# Altium PCB PROC054D_MMWCAS_RF_EVM.PcbDoc (part 6 of 14) (continued)
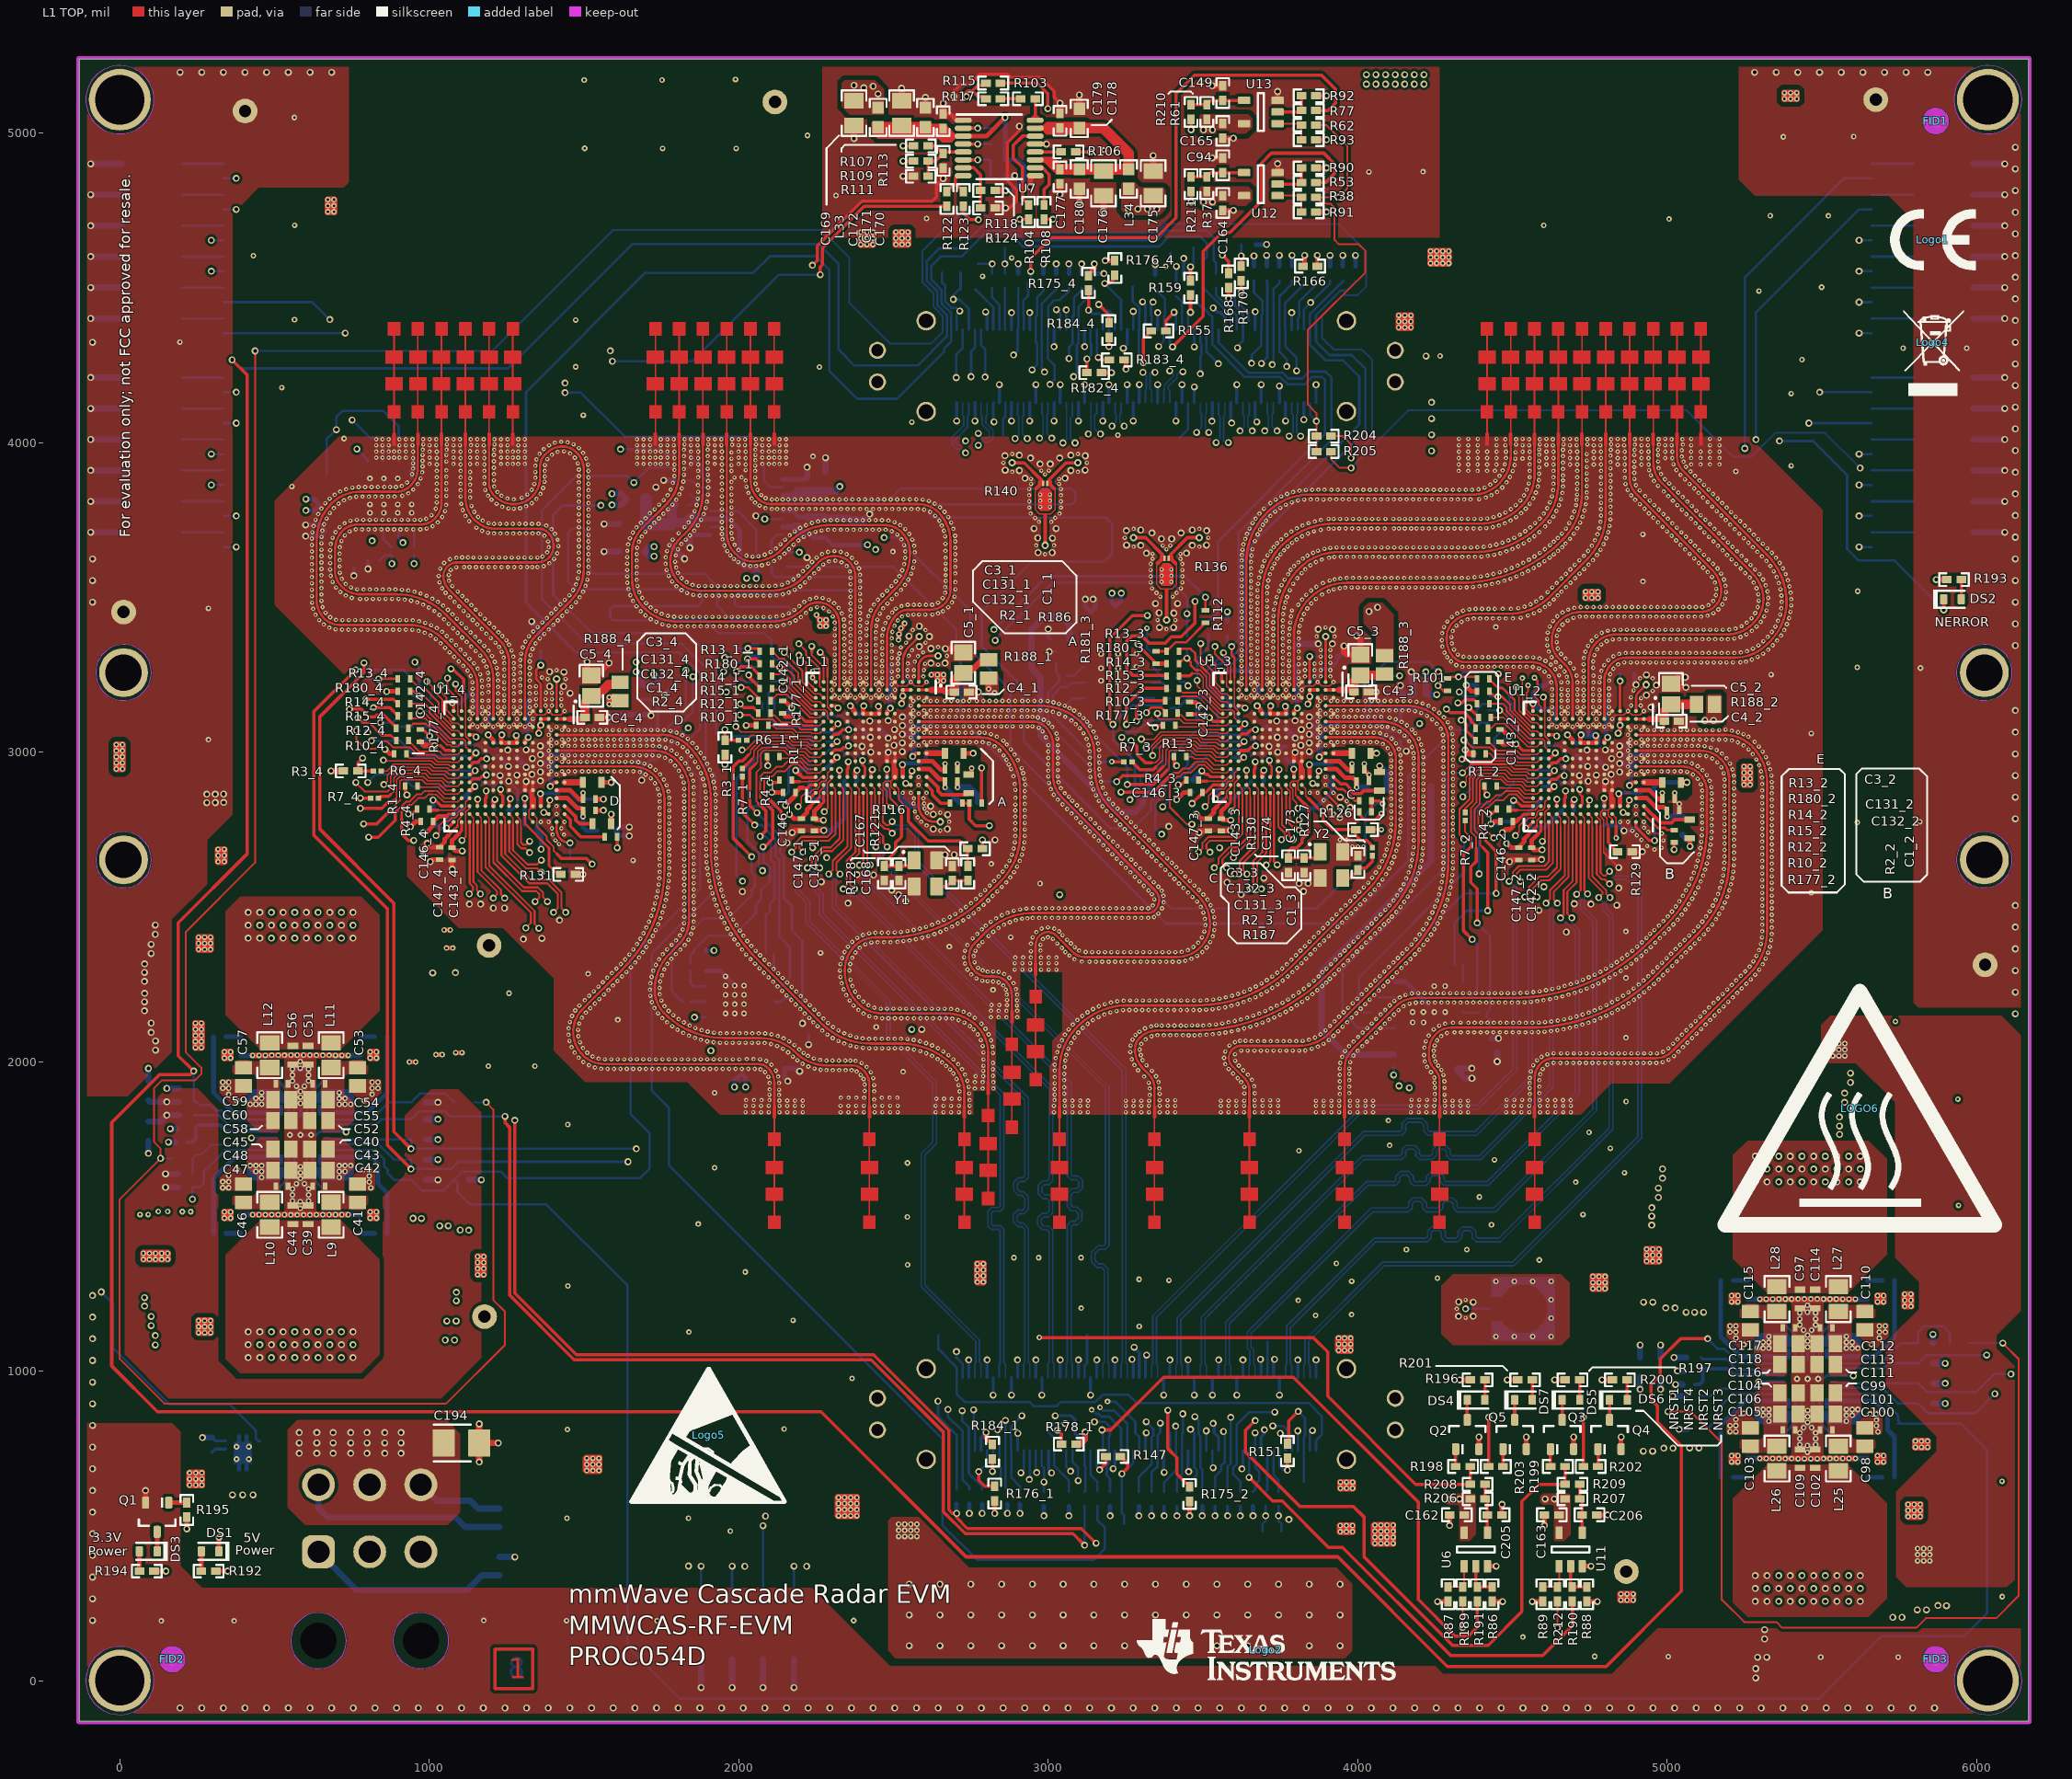
[diagram p0: L1 TOP view]
## Nets (pads, with @x,y where several pads share a name; then routed paths per layer and width w, separated by ;. In a path a pad name is that pad's centre, name@x,y a point inside that pad or via, vN(x,y) a via of type N, cw(c..) or ccw(c..) an arc to the next point about the centre after c; other vN are vias at no path point) (continued)
AWR_4_SPI_HOST_INTR1: J5.27 R10_4.2 R184_4.2 | length 4097.7
  L1 TOP w8: v2(768.88,3110.53) 784.52,3094.89 805.48,3094.89 846.37,3054 876,3054 R10_4.2@893,3037
  L1 TOP w10.5: v2(3163.34,4446.33) 3196.34,4413.33 R184_4.2@3196.34,4387.27
  L6 SIGNAL 3 w6.9: v2(768.88,3110.53) 768.88,3204.85 738.54,3235.18 738.54,3285.27 1050.44,3597.16 1050.44,4308.18 1378.08,4635.83 2053.23,4635.83 2222.3,4466.76 2634.39,4466.76 2674.43,4426.72 2674.43,4410.95 2695.38,4390.01 2749.22,4390.01 2770.05,4410.83 2770.05,4431.35 2790.07,4451.37 2833.44,4451.37 2858.85,4476.78 3132.88,4476.78 v2(3163.34,4446.33)
  L8 BOTTOM w7.75: v2(3163.34,4446.33) 3183.95,4425.71 3197.03,4425.71 3216.02,4406.73 J5.27@3216.02,4365.06
AWR_4_SPI_MISO1: J5.28 R12_4.2 R176_4.1 | length 4187.3
  L1 TOP w10.5: v2(742.02,3139) 780.39,3139 805.17,3114.23 824.54,3114.23 830.39,3120.08 852.32,3120.08 892.89,3079.52 R12_4.2@892.89,3077 ; v2(3182.67,4514.41) 3197.54,4514.41 3215.4,4532.26 R176_4.1@3215.4,4540.37
  L6 SIGNAL 3 w6.9: v2(742.02,3139) 723.08,3157.94 723.08,3295.52 1031.03,3603.47 1031.03,4321.4 1371.02,4661.39 2059.57,4661.39 2239.9,4481.06 2641.54,4481.06 2689.93,4432.67 2689.93,4415.81 2703.84,4401.91 2734.05,4401.91 2751.59,4419.45 2751.59,4437.67 2786.07,4472.14 2822.86,4472.14 2854.72,4504 3126.28,4504 3136.7,4514.41 v2(3182.67,4514.41)
  L8 BOTTOM w7.75: v2(3182.67,4514.41) 3235.71,4461.38 J5.28@3235.71,4365.06
AWR_4_SPI_MOSI1: J5.24 R183_4.2 U1_4.R8 | length 3745.2
  L1 TOP w4: v2(851.8,2974.1) 854.9,2971 1008,2971 1020,2959 1063,2959 1068.5,2953.5 U1_4.R8@1078.76,2953.5
  L1 TOP w10.5: v2(3162,4275) 3169.85,4267.15 R183_4.2@3198.04,4267.15
  L6 SIGNAL 3 w6.9: v2(851.8,2974.1) 870.25,2974.1 930.7,3034.55 930.7,3233.6 1222.22,3525.11 1222.22,3850.07 1515.55,4143.4 1667.89,4143.4 1880.55,4356.06 2354.51,4356.06 2377.93,4379.48 2497.77,4379.48 2566.58,4310.68 2851.46,4310.68 2860.29,4319.51 2915.98,4319.51 2944.01,4291.47 3006.33,4291.47 3049.57,4248.23 3081.78,4248.23 3093.78,4260.23 3093.78,4325.24 3102.8,4334.26 3135.26,4334.26 3162,4307.52 v2(3162,4275)
  L8 BOTTOM w7.75: J5.24@3156.97,4365.06 3156.97,4280.03 v2(3162,4275)
AWR_4_TCK: J5.5 U1_4.M13 | length 2897.7
  L1 TOP w10.5: U1_4.M13@1155.53,2825.55 1155.53,2844.23 v2(1156.04,2847.5)
  L6 SIGNAL 3 w6.9: v2(1156.04,2847.5) 1134.48,2847.5 1119.5,2862.48 1119.5,2903.95 1089.74,2933.71 1089.74,3117.1 1177.89,3205.25 1177.89,3291.79 1284.89,3398.78 1284.89,3431.82 1334.04,3480.98 1352.93,3480.98 1451.14,3579.19 1451.14,3762.38 1599.23,3910.46 1661.03,3910.46 1697.19,3946.62 1757.33,3946.62 1992.5,4181.79 2370.45,4181.79 2420.44,4231.78 2644.19,4231.78 2689.24,4186.72 2712.95,4186.72 2727.47,4201.24 2727.47,4222.47 2741.93,4236.93 2771.07,4236.93 v2(2796,4212)
  L8 BOTTOM w7.75: J5.5@2782.95,4365.06 2782.95,4315.63 2796,4302.58 v2(2796,4212)
AWR_4_TDI: J5.2 U1_4.H13 | length 2962.8
  L1 TOP w10.5: U1_4.H13@1257.89,2825.55 1257.89,2841.79 1261.6,2845.5 v2(1261.6,2849.69)
  L6 SIGNAL 3 w6.9: v2(1261.6,2849.69) 1222.72,2810.81 1143.56,2810.81 1101.41,2852.95 1101.41,2895.95 1067.81,2929.55 1067.81,3121.9 1145.21,3199.3 1145.21,3294.52 1259.31,3408.62 1259.31,3428.22 1405.91,3574.82 1405.91,3770.49 1586.4,3950.99 1652.86,3950.99 1680.64,3978.76 1737.9,3978.76 1972.74,4213.6 2358.44,4213.6 2389.9,4245.06 2667.86,4245.06 v2(2702.91,4210)
  L8 BOTTOM w7.75: v2(2702.91,4210) 2702.91,4286.29 2723.89,4307.27 J5.2@2723.89,4365.06
AWR_4_TDO: J5.3 R8_4.2 R161.1 TP3_4.1 | length 4005.5
  L6 SIGNAL 3 w6.9: v2(801.13,2901.87) 801.13,2923.53 758.17,2966.48 758.17,3017.16 699.85,3075.49 699.85,3296.27 1004.12,3600.54 1004.12,3901.2 977.48,3927.85 977.48,4322.89 1361.07,4706.48 2045.93,4706.48 2254.47,4497.94 2657.94,4497.94 v2(2693.28,4462.6)
  L8 BOTTOM w7.75: v2(801.13,2901.87) 827.83,2928.58 906.51,2928.58 947.31,2887.78 R8_4.2@974.55,2887.78 ; TP3_4.1@2716.88,4548.68 R161.1@2716.88,4495.09 2712.73,4495.09 2693.28,4475.64 v2(2693.28,4462.6) 2713.2,4462.6 2743.58,4432.22 J5.3@2743.58,4365.06
AWR_4_TMS: J5.4 U1_4.L13 | length 2803.2
  L1 TOP w10.5: U1_4.L13@1181.12,2825.55 1181.12,2850.22 1183.94,2853.04 v2(1183.94,2874.94)
  L6 SIGNAL 3 w6.9: v2(1183.94,2874.94) 1183.94,2891.01 1161.1,2913.85 1136.45,2913.85 1108.41,2941.89 1108.41,3106.16 1220.25,3217.99 1220.25,3302.4 1308.36,3390.51 1308.36,3434.23 1328.27,3454.14 1366.2,3454.14 1486.72,3574.66 1486.72,3714.11 1540,3767.39 1620.2,3767.39 1699.39,3846.58 1699.39,3875.96 1733.61,3910.17 1775.36,3910.17 2014.33,4149.14 2466.51,4149.14 2532.34,4214.97 2640.6,4214.97 2680.75,4174.82 2730.39,4174.82 2751,4195.43 v2(2751,4213)
  L8 BOTTOM w7.75: v2(2751,4213) 2751,4294.5 2763.27,4306.77 J5.4@2763.27,4365.06
AWR_4_UART_RX: J5.21 R179_4.1 U1_4.N5 | length 3243.7
  L1 TOP w4: 1117,3146.75 1117,3051 1118,3050 1118,3049.9 1129.94,3037.96 U1_4.N5@1129.94,3030.27
  L1 TOP w6: 1111,3204.56 1111,3193.55 1117,3187.55 1117,3146.75
  L1 TOP w10.5: v2(1070,3269) 1076,3269 1111,3234 1111,3204.56
  L6 SIGNAL 3 w6.9: v2(1070,3269) 1070,3289.82 1326.66,3546.48 1326.66,3792.85 1578.15,4044.34 1699.42,4044.34 1951.02,4295.94 2381.79,4295.94 2423.68,4337.83 2481.62,4337.83 2548.85,4270.6 2856.51,4270.6 2868.11,4259.01 2998.1,4259.01 3044.11,4213 v2(3082,4213)
  L8 BOTTOM w7.75: v2(3082,4213) 3093,4224 3093,4316 3097.91,4320.91 3097.91,4438.57 3149,4489.66 R179_4.1@3149,4498.97
AWR_4_UART_TX: J5.20 R11_4.1 R178_4.1 | length 3241.3
  L6 SIGNAL 3 w6.9: v2(953.55,3291.06) 1195.4,3532.91 1195.4,3864.03 1512.53,4181.16 1662.68,4181.16 1857.68,4376.17 2344.13,4376.17 2361.56,4393.6 2502.95,4393.6 2573.97,4322.58 2836.71,4322.58 2852.7,4338.56 3043.36,4338.56 3067.59,4314.33 v2(3067.59,4271.64)
  L8 BOTTOM w7.75: v2(953.55,3291.06) 966.02,3278.58 966.02,3218.61 982.26,3202.38 990.5,3202.38 1003.91,3188.98 R11_4.1@1003.91,3172.94 ; v2(3067.59,4271.64) 3067.59,4308.34 3078.23,4318.98 3078.23,4407.22 3082.73,4411.72 3082.73,4466.77 3108,4492.04 R178_4.1@3108,4498.97
AWR_4_WARM_RST: J5.11 R174_4.1 U1_4.N12 | length 3582.7
  L1 TOP w4: 1053.96,2776.24 1062.24,2776.24 1073,2787 1083.48,2787 1091.85,2795.37 1091.85,2805.14 1099.17,2812.46 1108.94,2812.46 1117.44,2820.96 1117.44,2838.64 U1_4.N12@1129.94,2851.13
  L1 TOP w6: v2(1022,2730) 1032.23,2740.23 1032.23,2762.8 1045.67,2776.24 1053.96,2776.24
  L6 SIGNAL 3 w6.9: v2(1022,2730) 1036.4,2715.6 1057.94,2715.6 1083.5,2741.16 1083.5,2797 1038.51,2841.99 1038.51,2859.18 968.09,2929.61 968.09,3080.87 1015.56,3128.34 1015.56,3261.34 1293.32,3539.1 1293.32,3802.98 1562.67,4072.33 1685.28,4072.33 1931,4318.05 2371.72,4318.05 2405.76,4352.09 2487.32,4352.09 2556.41,4283 v2(2888,4283)
  L8 BOTTOM w7.75: v2(2888,4283) 2901.06,4296.06 J5.11@2901.06,4365.06 2903,4367 R174_4.1@2903,4498.97
AWR_4_XTAL_CLKM: R131.2 U1_4.F14 | length 248.6
  L1 TOP w8: U1_4.F14@1309.07,2799.95 1309.07,2768.17 1387.04,2690.21 1387.04,2633.55 1415.59,2604.99 R131.2@1425.11,2604.99
AWR_4_XTAL_CLKP: R108.2 U1_4.E14 | length 5430
  L1 TOP w4: U1_4.E14@1334.67,2799.95 1347.17,2787.45 1347.17,2759.83 1353.3,2753.7
  L1 TOP w6: 1353.3,2753.7 1379.51,2727.49 1379.51,2717 1402.49,2694.01 1402.49,2680.63 1412.37,2670.75
  L1 TOP w10.5: 1412.37,2670.75 1427.3,2655.82 1508.38,2655.82 v2(1526.14,2638.05) ; R108.2@2986.58,4721.32 v2(3014.98,4721.32)
  L3 SIGNAL 1 w5.1: v2(1526.14,2638.05) 1547.59,2659.51 1547.59,2724.31 1620.04,2796.75 1620.04,2909.33 1161.25,3368.12 1161.25,4248.67 1524.23,4611.65 2087.1,4611.65 2114.06,4584.7 2114.06,4507.54 2085.72,4479.2 1681.24,4479.2 1655.35,4453.32 1655.35,4390.99 1694.02,4352.32 2321.49,4352.32 2665.78,4696.61 3007.07,4696.61 3014.98,4704.52 v2(3014.98,4721.32)
AWR_CONN_TP1: J4.22 TP12.1 | length 140.8
  L8 BOTTOM w7.75: J4.22@3117.6,979.24 3117.6,1018.08 3125.61,1026.1 TP12.1@3125.61,1116.7
AWR_CONN_TP2: J4.52 TP15.1 | length 115.8
  L8 BOTTOM w7.75: J4.52@3708.15,979.24 3709,980.09 TP15.1@3709,1094.73
AWR_CONN_TP3: J5.69 TP8.1 | length 106.3
  L8 BOTTOM w7.75: TP8.1@2854.35,4025.61 2854.35,4076.29 2861.69,4083.63 J5.69@2861.69,4128.84
AWR_CONN_TP4: J5.99 TP13.1 | length 122.8
  L8 BOTTOM w7.75: TP13.1@3425.79,4016.95 3452.24,4043.4 J5.99@3452.24,4128.84
AWR_RX1_1: U1_1.M2 | length 1500.4
  L1 TOP w8.4: 1807.5,3991.32 1807.5,3901.87 cw(c1664.15,3901.88) 1765.51,3800.51 1687.36,3722.36 ccw(c1765.49,3644.23) 1655,3644.23 1655,3560.12 ccw(c1788.07,3560.12) 1693.98,3466.02 ccw(c1800.99,3572.98) 1800.99,3421.68 2107.7,3421.68 ccw(c2107.69,3566.36) 2210,3464.06 cw(c2257,3417.06) 2304,3464.06 cw(c2252.03,3412.08) 2325.53,3412.09 U1_1.M2@2325.53,3201.04
AWR_RX1_2: U1_2.M2 | length 1500.1
  L1 TOP w8.4: U1_2.M2@4643.53,3107.04 4643.53,3208.98 ccw(c4562.81,3208.98) 4619.89,3266.06 ccw(c4559.53,3205.7) 4559.53,3291.06 4344.27,3291.06 cw(c4344.27,3335.44) 4312.89,3304.06 cw(c4373.24,3364.4) 4287.89,3364.4 4287.89,3372.19 cw(c4352.76,3372.19) 4306.89,3418.06 cw(c4376.9,3348.06) 4376.9,3447.06 4489.05,3447.06 ccw(c4489.05,3632.57) 4620.23,3501.4 4741.08,3622.26 ccw(c4594.2,3769.14) 4801.92,3769.14 4801.92,3991.32
AWR_RX1_3: U1_3.M2 | length 1500.2
  L1 TOP w8.4: U1_3.M2@3640.53,3201.04 3640.53,3612.46 cw(c3870.49,3612.46) 3707.88,3775.06 cw(c3845.49,3637.45) 3845.49,3832.06 4372.24,3832.06 ccw(c4372.24,3952.63) 4457.04,3866.92 ccw(c4365.88,3958.08) 4494.8,3958.08 4494.8,3991.32
AWR_RX1_4: U1_4.M2 | length 1500.2
  L1 TOP w8.4: 660.47,3431.53 cw(c719.56,3490.61) 636,3490.61 636,3685.73 cw(c803.23,3685.73) 684.98,3803.98 cw(c774.33,3714.66) 774.33,3841 891.93,3841 ccw(c891.93,3907.56) 939,3860.5 ccw(c881.27,3918.24) 962.92,3918.24 962.92,3991.32 ; 660.48,3431.52 ccw(c710.02,3481.06) 710.02,3411 932.89,3411 cw(c932.89,3251.4) 1045.75,3364.25 1126.91,3283.09 cw(c1057.8,3213.99) 1155.53,3213.99 U1_4.M2@1155.53,3107.04
AWR_RX2_1: U1_1.K2 | length 1500.4
  L1 TOP w8.4: 1778.71,3615.15 ccw(c1870.08,3615.15) 1805.47,3550.54 ; 1778.71,3615.19 cw(c1883.76,3615.19) 1809.48,3689.47 1831.23,3711.22 ccw(c1703.17,3839.29) 1884.28,3839.29 1884.28,3991.32 ; 1805.48,3550.53 ccw(c1876.62,3621.66) 1876.62,3521.06 2105.03,3521.06 ccw(c2105.03,3668) 2208.93,3564.1 2257.89,3613.05 cw(c2308.41,3562.53) 2358.92,3613.05 ; 2358.93,3613.03 cw(c2316.02,3570.11) 2376.71,3570.11 U1_1.K2@2376.71,3201.04
AWR_RX2_2: U1_2.K2 | length 1500.2
  L1 TOP w8.4: 4651.57,3423.36 ccw(c4708.75,3366.2) 4627.9,3366.2 4627.9,3354.42 ccw(c4698.79,3354.42) 4648.65,3304.31 4670.9,3282.06 cw(c4613.39,3224.57) 4694.71,3224.57 U1_2.K2@4694.71,3107.04 ; 4651.58,3423.36 cw(c4723.28,3351.65) 4723.28,3453.06 5108.9,3453.06 ccw(c5108.9,3519.06) 5174.9,3519.06 ccw(c5075.92,3519.05) 5145.9,3589.05 4900.3,3834.65 cw(c4952.41,3886.77) 4878.71,3886.76 4878.71,3991.32
AWR_RX2_3: U1_3.K2 | length 1500.2
  L1 TOP w8.4: U1_3.K2@3691.71,3201.04 3691.71,3513.43 cw(c3911.11,3513.43) 3755.97,3668.57 cw(c3923.74,3500.79) 3923.74,3738.06 4394.88,3738.06 ccw(c4394.88,3927.5) 4528.84,3793.55 ccw(c4425.62,3896.76) 4571.59,3896.76 4571.59,3991.32
AWR_RX2_4: U1_4.K2 | length 1500.2
  L1 TOP w8.4: 1039.7,3991.32 1039.7,3806.89 cw(c965.61,3806.89) 1018,3754.5 cw(c970.92,3801.58) 970.92,3735 766.46,3735 ccw(c766.46,3671.12) 721.29,3716.29 ccw(c784.71,3652.84) 695,3652.84 695,3586.68 ccw(c768.42,3586.68) 716.5,3534.77 ccw(c776.29,3594.55) 776.29,3510 893.31,3510 cw(c893.31,3280.19) 1055.81,3442.69 1168,3330.5 cw(c1074.55,3237.05) 1206.71,3237.05 U1_4.K2@1206.71,3107.04
AWR_RX3_1: U1_1.H2 | length 1500
  L1 TOP w8.4: 1961.06,3991.32 1961.06,3707.89 ccw(c2053.89,3707.89) 1988.25,3642.25 1992.93,3637.57 ccw(c2045,3689.63) 2045,3616 ccw(c2045,3751.2) 2140.6,3655.6 2164.52,3679.52 cw(c2296.06,3547.97) 2296.06,3734 2469.07,3734 cw(c2469.07,3652.09) 2527,3710 cw(c2463.01,3646.02) 2553.5,3646.02 2553.5,3639.58 cw(c2396.38,3639.58) 2507.48,3528.48 2465.6,3486.6 ccw(c2556.64,3395.56) 2427.89,3395.56 U1_1.H2@2427.89,3201.04
AWR_RX3_2: U1_2.H2 | length 1500.2
  L1 TOP w8.4: U1_2.H2@4745.89,3107.04 4745.89,3289.88 cw(c4838.07,3289.88) 4772.89,3355.06 cw(c4833.24,3294.71) 4833.24,3380.06 5194.12,3380.06 ccw(c5194.12,3495.66) 5275.86,3413.92 5281.14,3419.2 ccw(c5207.83,3492.51) 5311.51,3492.51 ccw(c5193.4,3492.52) 5276.92,3576.03 4981.99,3870.95 cw(c5045.99,3934.95) 4955.48,3934.95 4955.48,3991.32
AWR_RX3_3: U1_3.H2 | length 1500.4
  L1 TOP w8.4: U1_3.H2@3742.89,3201.04 3742.89,3425.54 cw(c3983.15,3425.54) 3813.26,3595.43 cw(c3935.49,3473.2) 3935.49,3646.06 4375.36,3646.06 ccw(c4375.36,3951.53) 4591.36,3735.53 4595.53,3739.7 ccw(c4468,3867.24) 4648.36,3867.23 4648.36,3991.32
AWR_RX3_4: U1_4.H2 | length 1500.1
  L1 TOP w8.4: 1116.48,3991.32 1116.48,3822.68 ccw(c1220.68,3822.68) 1147,3749 ccw(c1212.18,3814.17) 1212.18,3722 1352.64,3722 cw(c1352.64,3677.65) 1384,3709.01 cw(c1340.74,3665.74) 1401.92,3665.74 ; U1_4.H2@1257.89,3107.04 1257.89,3287.74 ccw(c1153.2,3287.73) 1227.23,3361.76 1063.6,3525.4 cw(c1107.14,3568.93) 1045.57,3568.93 1045.57,3568.99 cw(c1088.02,3568.99) 1058,3599 cw(c1091.82,3565.18) 1091.82,3613.01 1129.94,3613.01 1349.21,3613 ccw(c1349.21,3665.71) 1401.92,3665.71
AWR_RX4_1: U1_1.F2 | length 1500.1
  L1 TOP w8.4: 2037.84,3991.32 2037.84,3877.86 ccw(c2120.14,3877.86) 2061.92,3819.69 ; 2061.94,3819.67 ccw(c2107.01,3864.74) 2107.01,3801 2581.57,3801 cw(c2581.57,3710.27) 2645.72,3774.43 ; U1_1.F2@2479.07,3201.04 2479.07,3367.88 cw(c2587.59,3367.88) 2510.85,3444.61 cw(c2547.99,3407.51) 2547.98,3460 2619.19,3460 ccw(c2619.19,3524.81) 2684,3524.81 2684,3682.03 ccw(c2553.34,3682.03) 2645.73,3774.42
AWR_RX4_2: U1_2.F2 | length 1500.1
  L1 TOP w8.4: U1_2.F2@4797.07,3107.04 4797.07,3228.56 cw(c4878.39,3228.56) 4820.89,3286.06 cw(c4866.76,3240.2) 4866.75,3305.06 5219.08,3305.06 ccw(c5219.08,3451.87) 5322.89,3348.06 5333.42,3358.6 ccw(c5206.67,3485.36) 5385.93,3485.36 ccw(c5169.47,3485.36) 5322.53,3638.42 5050.89,3910.06 cw(c5095.85,3955.03) 5032.26,3955.02 5032.26,3991.32
AWR_RX4_3: U1_3.F2 | length 1500
  L1 TOP w8.4: U1_3.F2@3794.07,3201.04 3794.07,3374.37 cw(c3967.58,3374.37) 3844.89,3497.06 cw(c3965.6,3376.35) 3965.6,3547.06 4330.14,3547.06 ccw(c4330.14,4014.81) 4654.36,3677.66 4661.44,3684.74 ccw(c4507.23,3838.7) 4725.14,3838.7 4725.14,3991.32
AWR_RX4_4: U1_4.F2 | length 1500.1
  L1 TOP w8.4: 1193.26,3991.32 1193.26,3867.5 ccw(c1247,3867.5) 1209,3829.5 1212.17,3826.33 ccw(c1272.74,3886.9) 1272.74,3801.24 ccw(c1272.74,3886.5) 1358,3886.5 1358,3923.79 cw(c1409.21,3923.79) 1373,3960 1379.26,3966.25 cw(c1430.38,3915.16) 1430.36,3987.43 ; U1_4.F2@1309.07,3107.04 1309.07,3290.53 cw(c1431.08,3290.53) 1344.81,3376.81 1456.68,3488.68 ccw(c1354.51,3590.85) 1499,3590.85 1499,3912.35 ccw(c1420.17,3912.35) 1475.7,3968.3 1475.09,3968.91 ccw(c1430.38,3924.2) 1430.38,3987.43
AWR_TX1_1: U1_1.B4 | length 2080.3
  L1 TOP w8.4: U1_1.B4@2581.44,3149.86 2976.01,3149.86 cw(c2976.01,2966.19) 3105.89,3096.06 cw(c2999.66,2989.83) 3149.89,2989.84 3149.89,2946.83 ccw(c3335.23,2946.83) 3204.17,2815.78 3486.38,2533.57 cw(c3397.58,2444.77) 3523.16,2444.77 cw(c3416.39,2444.77) 3416.39,2338 3117.23,2338 cw(c3117.23,2391.53) 3079.38,2353.68 3025.79,2407.28 ccw(c2999.01,2380.49) 2972.22,2407.27 ccw(c3002.45,2377.04) 2959.69,2377.04 2959.62,2376.97 2959.62,2317.66
AWR_TX1_2: U1_2.B4 | length 2080.1
  L1 TOP w8.4: 4572,1856.96 4572,1947.48 cw(c4636.87,1947.48) 4591,1993.35 cw(c4633.62,1950.72) 4633.62,2011 4963.92,2011 ccw(c4963.92,2083.62) 5015.27,2032.27 5265.12,2282.12 ccw(c5125.4,2421.85) 5323,2421.85 5323,2903.59 ccw(c5160.26,2903.59) 5275.34,3018.66 ccw(c5185.52,2928.85) 5185.52,3055.86 U1_2.B4@4899.44,3055.86
AWR_TX1_3: U1_3.B4 | length 2080.1
  L1 TOP w8.4: 3650.64,1856.96 3650.64,1907.28 ccw(c3594.92,1907.28) 3634.32,1946.68 3594.01,1986.99 cw(c3619.01,2012) 3583.65,2012 3583.65,2012.44 cw(c3621.21,2012.44) 3594.65,2039 cw(c3623.76,2009.9) 3623.76,2051.06 3810.63,2051.06 ccw(c3810.63,2189.95) 3908.84,2091.74 3919.54,2102.44 4172.2,2355.11 ccw(c3881.1,2646.23) 4292.79,2646.22 4292.79,3040.01 ccw(c4204.26,3040.01) 4266.86,3102.61 4261.55,3107.91 ccw(c4160.29,3006.66) 4160.3,3149.86 U1_3.B4@3896.44,3149.86
AWR_TX1_4: U1_4.B4 | length 2080.4
  L1 TOP w8.4: U1_4.B4@1411.44,3055.86 1751.47,3055.86 cw(c1751.47,2933.64) 1837.89,3020.06 cw(c1664.06,2846.23) 1909.89,2846.23 1909.89,2686.49 ccw(c2406.8,2686.49) 2055.43,2335.13 2265.66,2124.9 ccw(c2426.27,2285.51) 2426.27,2058.37 2523.07,2058.37 cw(c2523.07,1820.34) 2691.39,1988.65 2691.48,1988.56 cw(c2600.19,1897.28) 2729.29,1897.28 ; 2729.28,1856.96 2729.28,1897.27
AWR_TX2_1: U1_1.B6 | length 2080.1
  L1 TOP w8.4: U1_1.B6@2581.44,3098.68 2949.3,3098.68 cw(c2949.3,3038.97) 2991.52,3081.19 cw(c2932.69,3022.36) 3015.89,3022.36 3015.89,2921.06 ccw(c3107.35,2921.06) 3042.68,2856.38 3345,2554.02 cw(c3312.49,2521.51) 3345,2489 cw(c3323.28,2510.71) 3323.28,2480 2950.01,2480 ccw(c2950.01,2262.7) 2796.35,2416.35 2762.39,2382.39 ccw(c2807.39,2337.39) 2762.39,2292.38 ; 2762.39,2292.37 ccw(c2804.33,2334.32) 2804.33,2275 2827.26,2275 cw(c2827.26,2223.43) 2863.72,2259.9 cw(c2817.45,2213.64) 2882.88,2213.64 2882.84,2213.6 2882.84,2164.1
AWR_TX2_2: U1_2.B6 | length 2080.5
  L1 TOP w8.4: 4264.88,1856.96 4264.88,1936.45 ccw(c4207.74,1936.44) 4248.14,1976.85 cw(c4290.24,2018.96) 4230.7,2018.96 4230.7,2034.84 cw(c4307.86,2034.84) 4253.3,2089.4 cw(c4303.03,2039.67) 4303.03,2110 4556.24,2110 ccw(c4556.24,2688.83) 4965.54,2279.54 5101.36,2415.36 ccw(c4860.82,2655.91) 5201,2655.91 5201,2911.89 ccw(c5108.21,2911.89) 5108.21,3004.68 U1_2.B6@4899.44,3004.68
AWR_TX2_3: U1_3.B6 | length 2080.4
  L1 TOP w8.4: 3343.52,1856.96 3343.52,1913.01 3343.68,1913.17 ccw(c3278.13,1913.17) 3324.48,1959.52 3306.66,1977.34 cw(c3370.65,2041.33) 3280.89,2029.8 3280.62,2031.99 cw(c3334.19,2038.87) 3296,2077.06 cw(c3353.04,2020.03) 3353.04,2100.69 3470.04,2100.69 ccw(c3470.04,2708.09) 3899.53,2278.59 4100.18,2479.24 ccw(c3866.6,2712.83) 4196.94,2712.83 4196.94,2983.66 ccw(c4086.01,2983.66) 4164.45,3062.1 ccw(c4076.14,2973.79) 4076.14,3098.68 U1_3.B6@3896.44,3098.68
AWR_TX2_4: U1_4.B6 | length 2080.1
  L1 TOP w8.4: U1_4.B6@1411.44,3004.68 1726.38,3004.68 cw(c1726.38,2903.56) 1797.89,2975.06 cw(c1691.66,2868.84) 1839.2,2897.12 1839.2,2457.44 cw(c1727.97,2457.44) 1806.62,2378.79 1777.71,2349.88 ccw(c1896.71,2230.88) 1728.42,2230.88 ccw(c1834.25,2230.87) 1759.41,2156.04 ccw(c1952.51,2349.13) 1952.5,2076.06 2070.55,2076.06 cw(c2070.55,1914.91) 2184.5,2028.86 ccw(c2283.31,2127.67) 2283.31,1987.93 2364.91,1987.93 cw(c2364.91,1934.43) 2402.74,1972.26 2403.1,1971.9 cw(c2357.28,1926.08) 2422.08,1926.08 2422.16,1926 2422.16,1856.96
AWR_TX3_1: U1_1.B8 | length 2080.4
  L1 TOP w8.4: 2375.47,2374.03 ccw(c2454.79,2294.72) 2342.62,2294.72 ccw(c2495.35,2294.7) 2387.36,2186.7 ccw(c2462.72,2262.04) 2462.72,2155.48 2672.09,2155.48 cw(c2672.09,2016.88) 2770.09,2114.89 cw(c2683.18,2027.98) 2806.09,2027.98 ; 2375.48,2374.04 cw(c2440.83,2308.69) 2440.83,2401.11 2477.57,2401.11 ccw(c2477.56,2853.75) 2797.63,2533.69 2846,2582.06 ccw(c2693.58,2734.49) 2909.14,2734.48 2909.14,2892.16 ccw(c2704.83,2874.62) 2849.83,3019.62 ; U1_1.B8@2581.44,3047.5 2782.53,3047.5 cw(c2782.52,2952.33) 2849.82,3019.62 ; 2806.06,1933.74 2806.06,2027.95
AWR_TX3_2: U1_2.B8 | length 2080.4
  L1 TOP w8.4: 3957.76,1856.96 3957.76,1977.73 cw(c4044.75,1977.73) 3983.24,2039.24 4120.94,2176.94 cw(c4191.25,2106.62) 4191.25,2206.06 4503.59,2206.06 ccw(c4503.59,2829.65) 4944.53,2388.7 4996.32,2440.5 ccw(c4676.3,2760.54) 5128.89,2760.53 5128.89,2872.54 ccw(c5048.04,2872.54) 5105.21,2929.71 ccw(c5047.79,2872.3) 5047.79,2953.5 U1_2.B8@4899.44,2953.5
AWR_TX3_3: U1_3.B8 | length 2080.1
  L1 TOP w8.4: 3036.4,1856.96 3036.4,1971.11 3036.48,1971.19 cw(c3239.73,1971.19) 3096.01,2114.91 cw(c3258.12,1952.81) 3258.12,2182.06 3482.21,2182.06 ccw(c3482.21,2613.2) 3787.08,2308.34 4030.23,2551.5 ccw(c3804.65,2777.08) 4123.67,2777.08 4123.67,2979.15 ccw(c4053.09,2979.15) 4103,3029.06 ccw(c4058.49,2984.55) 4058.49,3047.5 U1_3.B8@3896.44,3047.5
AWR_TX3_4: U1_4.B8 | length 2080.4
  L1 TOP w8.4: U1_4.B8@1411.44,2953.5 1658.11,2953.5 cw(c1658.11,2854.18) 1728.34,2924.41 cw(c1652.17,2848.24) 1759.89,2848.24 1759.89,2623.76 cw(c1301.91,2623.76) 1625.75,2299.92 1495.88,2170.06 ccw(c1570.38,2095.56) 1495.88,2021.06 ccw(c1565.91,2091.09) 1565.91,1992.06 2063.48,1992.06 cw(c2063.48,1947.49) 2095,1979 cw(c2046.99,1931) 2114.88,1931 2115.04,1930.84 2115.04,1856.96
AWR_VBGAP_1: C2_1.1 U1_1.B10 | length 58.9
  L1 TOP w12: v2(2562,2986) 2572.32,2996.31 U1_1.B10@2581.44,2996.31
  L8 BOTTOM w20: v2(2562,2986) 2563.59,2987.59 C2_1.1@2563.59,3020.51
AWR_VBGAP_2: C2_2.1 U1_2.B10 | length 60.9
  L1 TOP w10: v2@4879,2890 v2(4879,2892)
  L1 TOP w12: v2(4879,2892) 4889.32,2902.32 U1_2.B10@4899.44,2902.32
  L8 BOTTOM w15: v2(4879,2892) 4881.59,2894.59 C2_2.1@4881.59,2925.09
AWR_VBGAP_3: C2_3.1 U1_3.B10 | length 63.1
  L1 TOP w12: v2(3876,2984) 3888.32,2996.32 U1_3.B10@3896.44,2996.31
  L8 BOTTOM w20: v2(3876,2984) 3878.59,2986.59 C2_3.1@3878.59,3020.51
AWR_VBGAP_4: C2_4.1 U1_4.B10 | length 59.5
  L1 TOP w12: v2(1391,2889) 1404.32,2902.32 U1_4.B10@1411.44,2902.31
  L8 BOTTOM w15: v2(1391,2889) 1393,2891 C2_4.1@1393,2921.71
AWR_VOUT_PA_1: C4_1.1 C5_1.1 R188_1.1 U1_1.A2 U1_1.B2 | length 292.2
  L1 TOP w10: U1_1.B2@2581.44,3201.04 U1_1.A2@2607.03,3201.04 2621.97,3201.04
  L1 TOP w15: C4_1.1@2696.51,3194 C4_1.1@2696.81,3194.3
  L1 TOP w20: 2621.97,3201.04 2661.97,3201.04 2669.01,3194 C4_1.1@2696.51,3194 ; C5_1.1@2725.58,3255.06 2743.8,3255.06 2786.46,3297.73 R188_1.1@2807.55,3297.73
  L1 TOP w30: C4_1.1@2696.81,3194.3 2696.81,3231.29 C5_1.1@2723.08,3257.56
AWR_VOUT_PA_2: C4_2.1 C5_2.1 R188_2.1 U1_2.A2 U1_2.B2 | length 239.8
  L1 TOP w10: U1_2.B2@4899.44,3107.04 U1_2.A2@4925.03,3107.04 4943.01,3107.04
  L1 TOP w20: 4943.01,3107.04 4984.07,3107.04 C4_2.1@4990.81,3100.3
  L1 TOP w30: C4_2.1@4990.81,3100.3 4990.81,3132.48 C5_2.1@5012.4,3154.07 ; C5_2.1@5011.9,3154.07 C5_2.1@5012.4,3154.07 ; R188_2.1@5094.77,3154.07 C5_2.1@5012.4,3154.07
AWR_VOUT_PA_3: C4_3.1 C5_3.1 R188_3.1 U1_3.A2 U1_3.B2 | length 236.7
  L1 TOP w12: U1_3.B2@3896.44,3201.04 U1_3.A2@3922.03,3201.04 3939.05,3201.04
  L1 TOP w20: 3939.05,3201.04 3981.07,3201.04 C4_3.1@3987.81,3194.3
  L1 TOP w30: C4_3.1@3987.81,3194.3 3987.81,3226.98 C5_3.1@4008.9,3248.07 4082.53,3248.07 R188_3.1@4087.03,3252.57
AWR_VOUT_PA_4: C4_4.1 C5_4.1 R188_4.1 U1_4.A2 U1_4.B2 | length 282.2
  L1 TOP w12: U1_4.B2@1411.44,3107.04 U1_4.A2@1437.03,3107.04 1453.17,3107.04
  L1 TOP w20: 1453.17,3107.04 1497.55,3107.04 C4_4.1@1502.81,3112.3
  L1 TOP w30: C4_4.1@1502.81,3112.3 1502.81,3159.98 C5_4.1@1523.9,3181.07 1541.7,3181.07 1579.14,3218.51 1610.16,3218.51 R188_4.1@1616.77,3225.12
BSS_LOGGER_RS_1: R14_1.2 U1_1.R4 | length 195.1
  L1 TOP w6: R14_1.2@2108,3246 2114.14,3252.14 2149.86,3252.14 2165,3237 2165,3220.96 2236.1,3149.86 U1_1.R4@2248.76,3149.86
BSS_LOGGER_RS_2: R14_2.2 U1_2.R4 | length 189.4
  L1 TOP w6: R14_2.2@4425.89,3157 4468,3157 4481,3144 4481,3132.68 4557.82,3055.86 U1_2.R4@4566.76,3055.86
BSS_LOGGER_RS_3: R14_3.2 U1_3.R4 | length 206.4
  L1 TOP w4: 3464.98,3253.34 3487.51,3253.34 3501,3239.85 3501,3206.38 3557.52,3149.86 U1_3.R4@3563.76,3149.86
  L1 TOP w10.5: R14_3.2@3422.89,3246 3457.64,3246 3464.98,3253.34
BSS_LOGGER_RS_4: R14_4.2 U1_4.R4 | length 190.6
  L1 TOP w4: 1064.93,3062.94 1072.01,3055.86 U1_4.R4@1078.76,3055.86
  L1 TOP w6: R14_4.2@937.89,3157 984.2,3157 1000.68,3140.52 1000.68,3127.19 1064.93,3062.94
BUF_CLKOUT1: R103.2 R117.1 | length 64.8
  L1 TOP w10.5: R117.1@2846.05,5110.83 R103.2@2910.88,5110.83
BUF_CLKOUT1_RS: R103.1 U7.16 | length 98.7
  L1 TOP w10.5: U7.16@2947.73,5046.55 2958.12,5056.95 ; U7.16@2958.12,5041.49 2958.12,5056.95 ; R103.1@2958.12,5110.83 2958.12,5056.95 ; U7.16@2968.52,5046.55 2958.12,5056.95
BUF_CLKOUT2_RS: R104.1 U7.14 | length 294.7
  L1 TOP w10.5: R104.1@2936.49,4768.56 2916.33,4788.73 2916.33,4889.91 2887.62,4918.62 2887.62,4960.45 2917.48,4990.31 U7.14@2957.85,4990.31
BUF_CLKOUT3: R106.2 R126.1 | length 5019.4
  L1 TOP w10.5: R106.2@3089.19,4939.13 v2(3136.5,4939.13) ; R126.1@4041.18,2749.57 v3(4076.72,2749.57)
  L5 SIGNAL 2 w12: v2(3136.5,4939.13) 3213.75,4861.88 3213.75,4724.59 3281.83,4656.51 3281.83,4567.7 3312.76,4536.76 3340.06,4509.46 3550.22,4509.46 3573.44,4532.69 3654.35,4532.69 3721.88,4465.15 3721.88,4396.7 3789.16,4329.42 3863.65,4329.42 4055.99,4137.08 4055.99,3931.86 4165.21,3822.64 5231.07,3822.64 5246.12,3807.58 5246.12,3773.22 5228.23,3755.33 4438.8,3755.33 4410.98,3727.52 4410.98,3138.63 4349.03,3076.68 4278.36,3076.68 4129.86,2928.18 4129.86,2802.71 v3(4076.72,2749.57)
BUF_CLKOUT3_RS: R106.1 U7.12 | length 84.1
  L1 TOP w10.5: U7.12@2957.85,4939.13 R106.1@3041.94,4939.13
BUF_CLKOUT4_RS: R108.1 U7.10 | length 158.4
  L1 TOP w10.5: U7.10@2957.85,4887.95 2981.26,4887.95 3002.81,4866.4 3002.81,4833.89 2986.58,4817.66 R108.1@2986.58,4768.56
CONN_MONITOR_1: J4.1 J4.120 TP32.1 | length 1573.6
  L8 BOTTOM w7.75: TP32.1@2645.03,1115.91 2645.03,1070.9 2704.21,1011.72 J4.1@2704.21,979.24 2704.21,925.79 2730,900 2940,900 2953,887 3027.6,887 3040.6,900 3152.74,900 3176.3,923.55 3259.35,923.55 3285.9,897 3842,897 3884,855 3884,794 3865.63,775.63 J4.120@3865.63,743.02
CONN_MONITOR_2: J5.1 J5.120 TP33.1 | length 1598.5
  L3 SIGNAL 1 w5.1: v2(2714.21,4425) 2784.21,4355 3403.55,4355 3439.81,4318.74 3439.81,4283.03 3462.26,4260.58 3501.04,4260.58 3550.02,4211.6 3550.02,4182 3582.67,4149.35 3827.98,4149.35 v2(3865.63,4187)
  L8 BOTTOM w7.75: TP33.1@2657.29,4548.68 2657.29,4517.11 2667.57,4506.82 2667.57,4455.36 2687.31,4435.63 2703.58,4435.63 v2(2714.21,4425) 2704.21,4415 J5.1@2704.21,4365.06 ; J5.120@3865.63,4128.84 v2(3865.63,4187)
DIG_SYNC_SOURCE: R142.2 R143.2 U8.8 | length 153.9
  L8 BOTTOM w7.75: R143.2@1838.39,3919.29 1858.89,3939.79 ; R142.2@1838.39,3960.29 1858.89,3939.79 ; U8.8@1908.9,3880.96 1891.48,3880.96 1878.81,3893.62 1878.81,3930.31 1869.34,3939.79 1858.89,3939.79
DIG_SYNCOUT_RS_1: R1_1.2 U1_1.P11 | length 158.7
  L1 TOP w4: R1_1.2@2131.9,2985 2135.9,2981 2202,2981 2224.77,2958.23 2261.85,2958.23 U1_1.P11@2274.35,2970.72
DIG_SYNCOUT_RS_2: R1_2.2 U1_2.P11 | length 158.7
  L1 TOP w4: 4471.36,2884 4522,2884 4541.77,2864.23 4579.85,2864.23 U1_2.P11@4592.35,2876.73
  L1 TOP w6: R1_2.2@4449.9,2891 4456.9,2884 4471.36,2884
DIG_SYNCOUT_RS_3: R1_3.2 U1_3.P11 | length 158.7
  L1 TOP w4: R1_3.2@3446.9,2985 3466,2985 3472,2979 3515,2979 3535.77,2958.23 3576.85,2958.23 U1_3.P11@3589.35,2970.72
DIG_SYNCOUT_RS_4: R1_4.2 U1_4.P11 | length 158.7
  L1 TOP w4: R1_4.2@961.9,2891 966.06,2886.84 1028.16,2886.84 1050.77,2864.23 1091.85,2864.23 U1_4.P11@1104.35,2876.72
EXT_40M_BUF_AWR_1_RS: R115.2 R116.1 R117.2 | length 5103.7
  L1 TOP w10.5: v2(2736.01,5118.34) 2736.01,5132.28 2739.95,5136.23 2755.17,5136.23 ; R116.1@2787.39,2687.68 v2(2787.39,2716.2) ; R117.2@2798.8,5110.83 2792.1,5117.53 2773.86,5117.53 2755.17,5136.23 ; R115.2@2798.8,5161.63 2792.1,5154.92 2773.86,5154.92 2755.17,5136.23
  L5 SIGNAL 2 w12: v2(2736.01,5118.34) 2736.01,5082.94 2688.92,5035.85 2325.79,5035.85 2203.61,4913.67 1647.48,4913.67 1621.64,4887.83 1621.64,4846.51 1643.5,4824.64 1935.89,4824.64 1981.39,4779.15 1981.39,4704.99 1948.57,4672.17 1703.22,4672.17 1669.07,4638.03 1669.07,4503.97 1700.69,4472.35 1996.53,4472.35 2026.88,4442 2026.88,4040.78 2343.82,3723.84 2343.82,3674.27 2405.7,3612.4 2698.66,3612.4 2916.05,3395.01 2916.05,2943.41 2761.03,2788.4 2761.03,2742.56 v2(2787.39,2716.2)
EXT_40MHZ_CLK_1V8: J4.74 R115.1 | length 5346.8
  L1 TOP w10.5: R115.1@2846.05,5161.63 2964.52,5161.63 2998.97,5127.18 v2(2998.97,5079.18)
  L5 SIGNAL 2 w12: v2(2963,672) 2963,879.16 2928.83,913.32 2928.83,939.35 2850.75,1017.44 2850.75,1135.48 2922.54,1207.28 2922.54,2714.26 3040.77,2832.49 3040.77,3438.97 2525.51,3954.23 2525.51,4022.96 2383.71,4164.76 2383.71,4386.29 2620.11,4622.69 2620.11,4679.15 2998.97,5058 v2(2998.97,5079.18)
  L8 BOTTOM w7.75: J4.74@2960.12,743.02 2960.12,674.88 v2(2963,672)
EXT_DIG_SYNC: J4.64 R142.1 | length 4659.5
  L5 SIGNAL 2 w12: v2(1617.95,3978.76) 1654.84,4015.65 1916.04,4015.65 2382.45,3549.24 2651.16,3549.24 2765.25,3435.16 2765.25,3329.43 2866.54,3228.13 2866.54,2963.13 2717.14,2813.73 2717.14,2702.79 2743.58,2676.34 2743.58,2323.96 2558.87,2139.25 v2(2558.87,2104.18)
  L6 SIGNAL 3 w6.9: v2(2558.87,2104.18) 2567.52,2095.53 2567.52,1300.82 2763.82,1104.52 2813.76,1104.52 2853.47,1064.81 2853.47,1008.41 2796.02,950.96 2796.02,912.03 v2(2759,875)
  L8 BOTTOM w7.75: v2(1617.95,3978.76) 1743.32,3978.76 1761.79,3960.29 R142.1@1791.14,3960.29 ; v2(2759,875) 2759,837 2763.27,832.73 J4.64@2763.27,743.02